# Allegro board 038RT-9068CJK8E-A100_0921.brd (continued)
## Library data of the parts (continued)
C19 C174 C178 C320 C323 CB247 CB250 CB257 CB260 CD1-CD19 CD26-CD44 CD51-CD73 CD83-CD85 CD89 CD91 CD92 CD127-CD134 CD136-CD139 CD145-CD148 CD150-CD152 CD161-CD166 CD175-CD177 CF1 CG1-CG19 CG26-CG44 CG51-CG73 CG83-CG85 CG89 CG91 CG92 CG127-CG134 CG136-CG139 CG145-CG148 CG150-CG152 CG161-CG166 CH112 CH122 CH131 CH142 CH152 CH167 CH168 CH212 CH222 CH242 CH252 CH267 CH268 CH1112 CH1173 CH1174 CH1202 CH1252 CH1331 CH1332 CH1342 CH1352 CH1363 CH1364 CH1392 CH1403 CH1404 CH1503 CH1504 CH1552 CH1602 CH1632 CH1633 CH2112 CH2173 CH2174 CH2202 CH2252 CH2331 CH2342 CH2352 CH2363 CH2364 CH2392 CH2403 CH2404 CH2503 CH2504 CH2552 CH2602 CH2632 CH2633 CM1-CM16 CT1 UNK1C19 UNK1C174 UNK1C178 UNK1C320 UNK1C323 UNK1CD1-UNK1CD19 UNK1CD26-UNK1CD44 UNK1CD51-UNK1CD73 UNK1CD83-UNK1CD85 UNK1CD89 UNK1CD91 UNK1CD92 UNK1CD127-UNK1CD134 UNK1CD136-UNK1CD139 UNK1CD145-UNK1CD148 UNK1CD150-UNK1CD152 UNK1CD161-UNK1CD166 UNK1CD175-UNK1CD177 UNK1CG1-UNK1CG19 UNK1CG26-UNK1CG44 UNK1CG51-UNK1CG73 UNK1CG83-UNK1CG85 UNK1CG89 UNK1CG91 UNK1CG92 UNK1CG127-UNK1CG134 UNK1CG136-UNK1CG139 UNK1CG145-UNK1CG148 UNK1CG150-UNK1CG152 UNK1CG161-UNK1CG166 UNK1CH112 UNK1CH122 UNK1CH131 UNK1CH142 UNK1CH152 UNK1CH167 UNK1CH168 UNK1CH212 UNK1CH222 UNK1CH242 UNK1CH252 UNK1CH267 UNK1CH268 UNK1CH1112 UNK1CH1173 UNK1CH1174 UNK1CH1202 UNK1CH1252 UNK1CH1331 UNK1CH1332 UNK1CH1342 UNK1CH1352 UNK1CH1363 UNK1CH1364 UNK1CH1392 UNK1CH1403 UNK1CH1404 UNK1CH1503 UNK1CH1504 UNK1CH1552 UNK1CH1602 UNK1CH1632 UNK1CH1633 UNK1CH2112 UNK1CH2173 UNK1CH2174 UNK1CH2202 UNK1CH2252 UNK1CH2331 UNK1CH2342 UNK1CH2352 UNK1CH2363 UNK1CH2364 UNK1CH2392 UNK1CH2403 UNK1CH2404 UNK1CH2503 UNK1CH2504 UNK1CH2552 UNK1CH2602 UNK1CH2632 UNK1CH2633 UNK2C19 UNK2C174 UNK2C178 UNK2C320 UNK2C323 UNK2CD1-UNK2CD19 UNK2CD26-UNK2CD44 UNK2CD51-UNK2CD73 UNK2CD83-UNK2CD85 UNK2CD89 UNK2CD91 UNK2CD92 UNK2CD127-UNK2CD134 UNK2CD136-UNK2CD139 UNK2CD145-UNK2CD148 UNK2CD150-UNK2CD152 UNK2CD161-UNK2CD166 UNK2CD175-UNK2CD177 UNK2CG1-UNK2CG19 UNK2CG26-UNK2CG44 UNK2CG51-UNK2CG73 UNK2CG83-UNK2CG85 UNK2CG89 UNK2CG91 UNK2CG92 UNK2CG127-UNK2CG134 UNK2CG136-UNK2CG139 UNK2CG145-UNK2CG148 UNK2CG150-UNK2CG152 UNK2CG161-UNK2CG166 UNK2CH112 UNK2CH122 UNK2CH131 UNK2CH142 UNK2CH152 UNK2CH167 UNK2CH168 UNK2CH212 UNK2CH222 UNK2CH242 UNK2CH252 UNK2CH267 UNK2CH268 UNK2CH1112 UNK2CH1173 UNK2CH1174 UNK2CH1202 UNK2CH1252 UNK2CH1331 UNK2CH1332 UNK2CH1342 UNK2CH1352 UNK2CH1363 UNK2CH1364 UNK2CH1392 UNK2CH1403 UNK2CH1404 UNK2CH1503 UNK2CH1504 UNK2CH1552 UNK2CH1602 UNK2CH1632 UNK2CH1633 UNK2CH2112 UNK2CH2173 UNK2CH2174 UNK2CH2202 UNK2CH2252 UNK2CH2331 UNK2CH2342 UNK2CH2352 UNK2CH2363 UNK2CH2364 UNK2CH2392 UNK2CH2403 UNK2CH2404 UNK2CH2503 UNK2CH2504 UNK2CH2552 UNK2CH2602 UNK2CH2632 UNK2CH2633 UNK3C19 UNK3C174 UNK3C178 UNK3C320 UNK3C323 UNK3CD1-UNK3CD19 UNK3CD26-UNK3CD44 UNK3CD51-UNK3CD73 UNK3CD83-UNK3CD85 UNK3CD89 UNK3CD91 UNK3CD92 UNK3CD127-UNK3CD134 UNK3CD136-UNK3CD139 UNK3CD145-UNK3CD148 UNK3CD150-UNK3CD152 UNK3CD161-UNK3CD166 UNK3CD175-UNK3CD177 UNK3CG1-UNK3CG19 UNK3CG26-UNK3CG44 UNK3CG51-UNK3CG73 UNK3CG83-UNK3CG85 UNK3CG89 UNK3CG91 UNK3CG92 UNK3CG127-UNK3CG134 UNK3CG136-UNK3CG139 UNK3CG145-UNK3CG148 UNK3CG150-UNK3CG152 UNK3CG161-UNK3CG166 UNK3CH112 UNK3CH122 UNK3CH131 UNK3CH142 UNK3CH152 UNK3CH167 UNK3CH168 UNK3CH212 UNK3CH222 UNK3CH242 UNK3CH252 UNK3CH267 UNK3CH268 UNK3CH1112 UNK3CH1173 UNK3CH1174 UNK3CH1202 UNK3CH1252 UNK3CH1331 UNK3CH1332 UNK3CH1342 UNK3CH1352 UNK3CH1363 UNK3CH1364 UNK3CH1392 UNK3CH1403 UNK3CH1404 UNK3CH1503 UNK3CH1504 UNK3CH1552 UNK3CH1602 UNK3CH1632 UNK3CH1633 UNK3CH2112 UNK3CH2173 UNK3CH2174 UNK3CH2202 UNK3CH2252 UNK3CH2331 UNK3CH2342 UNK3CH2352 UNK3CH2363 UNK3CH2364 UNK3CH2392 UNK3CH2403 UNK3CH2404 UNK3CH2503 UNK3CH2504 UNK3CH2552 UNK3CH2602 UNK3CH2632 UNK3CH2633 = 0.1U-16-X-S4-MU: User Part Number: PNXXXXXXXXXX; Tolerance: TOL
C75 C76 C168 C169 CH153 CH154 CH253 CH254 UNK1C75 UNK1C76 UNK1C168 UNK1C169 UNK1CH153 UNK1CH154 UNK1CH253 UNK1CH254 UNK2C75 UNK2C76 UNK2C168 UNK2C169 UNK2CH153 UNK2CH154 UNK2CH253 UNK2CH254 UNK3C75 UNK3C76 UNK3C168 UNK3C169 UNK3CH153 UNK3CH154 UNK3CH253 UNK3CH254 = 18P-50-N-S4-MU: User Part Number: PNXXXXXXXXXX; Tolerance: TOL
C78 UNK1C78 UNK2C78 UNK3C78 = 0.1U-100-X-S8: User Part Number: PNXXXXXXXXXX; Tolerance: TOL
C79 UNK1C79 UNK2C79 UNK3C79 = 10U-100-Y-S6.1X5.3-MU: User Part Number: PNXXXXXXXXXX; Tolerance: TOL
C119 C172 UNK1C119 UNK1C172 UNK2C119 UNK2C172 UNK3C119 UNK3C172 = 1000P-2K-X-SA: User Part Number: PNXXXXXXXXXX; Tolerance: TOL
C171 C175 C177 C319 C322 C324 UNK1C171 UNK1C175 UNK1C177 UNK1C319 UNK1C322 UNK1C324 UNK2C171 UNK2C175 UNK2C177 UNK2C319 UNK2C322 UNK2C324 UNK3C171 UNK3C175 UNK3C177 UNK3C319 UNK3C322 UNK3C324 = 0.01U-50-X-S4: User Part Number: PNXXXXXXXXXX; Tolerance: TOL
C176 C321 UNK1C176 UNK1C321 UNK2C176 UNK2C321 UNK3C176 UNK3C321 = 1000P-50-N-S4-MU: User Part Number: PNXXXXXXXXXX; Tolerance: TOL
C179 C180 C183 C184 C195 C196 C198 C199 C376 C377 C381 C383-C385 C401 C402 C405 C407 C412 C413 C421 C422 C430 C431 CINX1 UNK1C179 UNK1C180 UNK1C183 UNK1C184 UNK1C195 UNK1C196 UNK1C198 UNK1C199 UNK1C376 UNK1C377 UNK1C381 UNK1C383-UNK1C385 UNK1C401 UNK1C402 UNK1C405 UNK1C407 UNK1C412 UNK1C413 UNK1C421 UNK1C422 UNK1C430 UNK1C431 UNK2C179 UNK2C180 UNK2C183 UNK2C184 UNK2C195 UNK2C196 UNK2C198 UNK2C199 UNK2C376 UNK2C377 UNK2C381 UNK2C383-UNK2C385 UNK2C401 UNK2C402 UNK2C405 UNK2C407 UNK2C412 UNK2C413 UNK2C421 UNK2C422 UNK2C430 UNK2C431 UNK3C179 UNK3C180 UNK3C183 UNK3C184 UNK3C195 UNK3C196 UNK3C198 UNK3C199 UNK3C376 UNK3C377 UNK3C381 UNK3C383-UNK3C385 UNK3C401 UNK3C402 UNK3C405 UNK3C407 UNK3C412 UNK3C413 UNK3C421 UNK3C422 UNK3C430 UNK3C431 = 0.1U-50-X-S6: User Part Number: PNXXXXXXXXXX; Tolerance: TOL
C181 C182 C194 C197 C375 C379 C399 C406 UNK1C181 UNK1C182 UNK1C194 UNK1C197 UNK1C375 UNK1C379 UNK1C399 UNK1C406 UNK2C181 UNK2C182 UNK2C194 UNK2C197 UNK2C375 UNK2C379 UNK2C399 UNK2C406 UNK3C181 UNK3C182 UNK3C194 UNK3C197 UNK3C375 UNK3C379 UNK3C399 UNK3C406 = 4700P-50-X-S4: User Part Number: PNXXXXXXXXXX; Tolerance: TOL
C292 UNK1C292 UNK2C292 UNK3C292 = 100U-35-E-S6.3X7.7-NI: Tolerance: TOL; User Part Number: PNXXXXXXXXXX
C325 UNK1C325 UNK2C325 UNK3C325 = 100U-100-E-S17.2X17.2-PAN: User Part Number: PNXXXXXXXXXX; Tolerance: TOL
C391 C418 C427 C436 UNK1C391 UNK1C418 UNK1C427 UNK1C436 UNK2C391 UNK2C418 UNK2C427 UNK2C436 UNK3C391 UNK3C418 UNK3C427 UNK3C436 = 4700P-50-X-S6: User Part Number: PNXXXXXXXXXX; Tolerance: TOL
C439-C442 UNK1C439-UNK1C442 UNK2C439-UNK2C442 UNK3C439-UNK3C442 = 4.7P-50-N-S4-MU: User Part Number: PNXXXXXXXXXX; Tolerance: TOL
CA1-CA6 CA11 = 220U-25-E-S11.2X10.5-NI: User Part Number: PNXXXXXXXXXX; Tolerance: TOL
CB243 CB253 CBB0-CBB5 CT2 CT4 CT6 = 10U-25-X7R-SA: User Part Number: PNXXXXXXXXXX; Tolerance: TOL
CB244 CB254 CS61-CS64 CS71-CS74 CS101-CS104 CS107 CS108 CS111-CS114 CS117 CS118 UNK1CS61-UNK1CS64 UNK1CS71-UNK1CS74 UNK1CS101-UNK1CS104 UNK1CS107 UNK1CS108 UNK1CS111-UNK1CS114 UNK1CS117 UNK1CS118 UNK2CS61-UNK2CS64 UNK2CS71-UNK2CS74 UNK2CS101-UNK2CS104 UNK2CS107 UNK2CS108 UNK2CS111-UNK2CS114 UNK2CS117 UNK2CS118 UNK3CS61-UNK3CS64 UNK3CS71-UNK3CS74 UNK3CS101-UNK3CS104 UNK3CS107 UNK3CS108 UNK3CS111-UNK3CS114 UNK3CS117 UNK3CS118 = 0.1U-50-X-S4-TDK: User Part Number: PNXXXXXXXXXX; Tolerance: TOL
CBB6 CG327 UNK1CG327 UNK2CG327 UNK3CG327 = 4.7U-100-X-SB-MU: User Part Number: PNXXXXXXXXXX; Tolerance: TOL
CC1 = 560P-50-X7R-SA-YA: User Part Number: PNXXXXXXXXXX; Tolerance: TOL
CC2 = 0.15U-50-X7R-SA-KEMET: User Part Number: PNXXXXXXXXXX; Tolerance: TOL
CD20 CD21 CD45 CD46 CD74 CD75 CD81 CD86 CD88 CD93 CD94 CD96 CD99 CD105 CD107 CD108 CD115 CD116 CD121 CD122 CD141 CD142 CD155 CD156 CD169 CD170 CD178-CD183 CG20 CG21 CG45 CG46 CG74 CG75 CG81 CG86 CG88 CG93 CG94 CG96 CG99 CG105 CG107 CG108 CG115 CG116 CG121 CG122 CG141 CG142 CG155 CG156 CG169 CG170 CG178-CG183 CS1 CS3 CS4 UNK1CD20 UNK1CD21 UNK1CD45 UNK1CD46 UNK1CD74 UNK1CD75 UNK1CD81 UNK1CD86 UNK1CD88 UNK1CD93 UNK1CD94 UNK1CD96 UNK1CD99 UNK1CD105 UNK1CD107 UNK1CD108 UNK1CD115 UNK1CD116 UNK1CD121 UNK1CD122 UNK1CD141 UNK1CD142 UNK1CD155 UNK1CD156 UNK1CD169 UNK1CD170 UNK1CD178-UNK1CD183 UNK1CG20 UNK1CG21 UNK1CG45 UNK1CG46 UNK1CG74 UNK1CG75 UNK1CG81 UNK1CG86 UNK1CG88 UNK1CG93 UNK1CG94 UNK1CG96 UNK1CG99 UNK1CG105 UNK1CG107 UNK1CG108 UNK1CG115 UNK1CG116 UNK1CG121 UNK1CG122 UNK1CG141 UNK1CG142 UNK1CG155 UNK1CG156 UNK1CG169 UNK1CG170 UNK1CG178-UNK1CG183 UNK1CS1 UNK1CS3 UNK1CS4 UNK2CD20 UNK2CD21 UNK2CD45 UNK2CD46 UNK2CD74 UNK2CD75 UNK2CD81 UNK2CD86 UNK2CD88 UNK2CD93 UNK2CD94 UNK2CD96 UNK2CD99 UNK2CD105 UNK2CD107 UNK2CD108 UNK2CD115 UNK2CD116 UNK2CD121 UNK2CD122 UNK2CD141 UNK2CD142 UNK2CD155 UNK2CD156 UNK2CD169 UNK2CD170 UNK2CD178-UNK2CD183 UNK2CG20 UNK2CG21 UNK2CG45 UNK2CG46 UNK2CG74 UNK2CG75 UNK2CG81 UNK2CG86 UNK2CG88 UNK2CG93 UNK2CG94 UNK2CG96 UNK2CG99 UNK2CG105 UNK2CG107 UNK2CG108 UNK2CG115 UNK2CG116 UNK2CG121 UNK2CG122 UNK2CG141 UNK2CG142 UNK2CG155 UNK2CG156 UNK2CG169 UNK2CG170 UNK2CG178-UNK2CG183 UNK2CS1 UNK2CS3 UNK2CS4 UNK3CD20 UNK3CD21 UNK3CD45 UNK3CD46 UNK3CD74 UNK3CD75 UNK3CD81 UNK3CD86 UNK3CD88 UNK3CD93 UNK3CD94 UNK3CD96 UNK3CD99 UNK3CD105 UNK3CD107 UNK3CD108 UNK3CD115 UNK3CD116 UNK3CD121 UNK3CD122 UNK3CD141 UNK3CD142 UNK3CD155 UNK3CD156 UNK3CD169 UNK3CD170 UNK3CD178-UNK3CD183 UNK3CG20 UNK3CG21 UNK3CG45 UNK3CG46 UNK3CG74 UNK3CG75 UNK3CG81 UNK3CG86 UNK3CG88 UNK3CG93 UNK3CG94 UNK3CG96 UNK3CG99 UNK3CG105 UNK3CG107 UNK3CG108 UNK3CG115 UNK3CG116 UNK3CG121 UNK3CG122 UNK3CG141 UNK3CG142 UNK3CG155 UNK3CG156 UNK3CG169 UNK3CG170 UNK3CG178-UNK3CG183 UNK3CS1 UNK3CS3 UNK3CS4 = 10U-16-X7R-S8-SS: User Part Number: PNXXXXXXXXXX; Tolerance: TOL
CD24 CD25 CD48 CD50 CD77 CD79 CD117 CD120 CD124 CD126 CD157 CD160 CD172 CD174 CG24 CG25 CG48 CG50 CG77 CG79 CG117 CG120 CG124 CG126 CG172 CG174 UNK1CD24 UNK1CD25 UNK1CD48 UNK1CD50 UNK1CD77 UNK1CD79 UNK1CD117 UNK1CD120 UNK1CD124 UNK1CD126 UNK1CD157 UNK1CD160 UNK1CD172 UNK1CD174 UNK1CG24 UNK1CG25 UNK1CG48 UNK1CG50 UNK1CG77 UNK1CG79 UNK1CG117 UNK1CG120 UNK1CG124 UNK1CG126 UNK1CG172 UNK1CG174 UNK2CD24 UNK2CD25 UNK2CD48 UNK2CD50 UNK2CD77 UNK2CD79 UNK2CD117 UNK2CD120 UNK2CD124 UNK2CD126 UNK2CD157 UNK2CD160 UNK2CD172 UNK2CD174 UNK2CG24 UNK2CG25 UNK2CG48 UNK2CG50 UNK2CG77 UNK2CG79 UNK2CG117 UNK2CG120 UNK2CG124 UNK2CG126 UNK2CG172 UNK2CG174 UNK3CD24 UNK3CD25 UNK3CD48 UNK3CD50 UNK3CD77 UNK3CD79 UNK3CD117 UNK3CD120 UNK3CD124 UNK3CD126 UNK3CD157 UNK3CD160 UNK3CD172 UNK3CD174 UNK3CG24 UNK3CG25 UNK3CG48 UNK3CG50 UNK3CG77 UNK3CG79 UNK3CG117 UNK3CG120 UNK3CG124 UNK3CG126 UNK3CG172 UNK3CG174 = 100U-16-T-SC: Tolerance: TOL; User Part Number: PNXXXXXXXXXX
CD80 CD82 CD87 CD90 CD98 CD100 CD104 CD106 CD109-CD112 CD135 CD140 CD143 CD144 CD149 CD154 CD167 CG80 CG82 CG87 CG90 CG98 CG100-CG104 CG106 CG109-CG112 CG135 CG140 CG143 CG144 CG149 CG154 CG167 CH1361 CH1362 CH1401 CH1402 CH1501 CH1502 CH2361 CH2362 CH2401 CH2402 CH2501 CH2502 UNK1CD80 UNK1CD82 UNK1CD87 UNK1CD90 UNK1CD98 UNK1CD100 UNK1CD104 UNK1CD106 UNK1CD109-UNK1CD112 UNK1CD135 UNK1CD140 UNK1CD143 UNK1CD144 UNK1CD149 UNK1CD154 UNK1CD167 UNK1CG80 UNK1CG82 UNK1CG87 UNK1CG90 UNK1CG98 UNK1CG100-UNK1CG104 UNK1CG106 UNK1CG109-UNK1CG112 UNK1CG135 UNK1CG140 UNK1CG143 UNK1CG144 UNK1CG149 UNK1CG154 UNK1CG167 UNK1CH1361 UNK1CH1362 UNK1CH1401 UNK1CH1402 UNK1CH1501 UNK1CH1502 UNK1CH2361 UNK1CH2362 UNK1CH2401 UNK1CH2402 UNK1CH2501 UNK1CH2502 UNK2CD80 UNK2CD82 UNK2CD87 UNK2CD90 UNK2CD98 UNK2CD100 UNK2CD104 UNK2CD106 UNK2CD109-UNK2CD112 UNK2CD135 UNK2CD140 UNK2CD143 UNK2CD144 UNK2CD149 UNK2CD154 UNK2CD167 UNK2CG80 UNK2CG82 UNK2CG87 UNK2CG90 UNK2CG98 UNK2CG100-UNK2CG104 UNK2CG106 UNK2CG109-UNK2CG112 UNK2CG135 UNK2CG140 UNK2CG143 UNK2CG144 UNK2CG149 UNK2CG154 UNK2CG167 UNK2CH1361 UNK2CH1362 UNK2CH1401 UNK2CH1402 UNK2CH1501 UNK2CH1502 UNK2CH2361 UNK2CH2362 UNK2CH2401 UNK2CH2402 UNK2CH2501 UNK2CH2502 UNK3CD80 UNK3CD82 UNK3CD87 UNK3CD90 UNK3CD98 UNK3CD100 UNK3CD104 UNK3CD106 UNK3CD109-UNK3CD112 UNK3CD135 UNK3CD140 UNK3CD143 UNK3CD144 UNK3CD149 UNK3CD154 UNK3CD167 UNK3CG80 UNK3CG82 UNK3CG87 UNK3CG90 UNK3CG98 UNK3CG100-UNK3CG104 UNK3CG106 UNK3CG109-UNK3CG112 UNK3CG135 UNK3CG140 UNK3CG143 UNK3CG144 UNK3CG149 UNK3CG154 UNK3CG167 UNK3CH1361 UNK3CH1362 UNK3CH1401 UNK3CH1402 UNK3CH1501 UNK3CH1502 UNK3CH2361 UNK3CH2362 UNK3CH2401 UNK3CH2402 UNK3CH2501 UNK3CH2502 = 1U-16-X-S6-TY: User Part Number: PNXXXXXXXXXX; Tolerance: TOL
CD113 CG113 UNK1CD113 UNK1CG113 UNK2CD113 UNK2CG113 UNK3CD113 UNK3CG113 = 1U-10-X7R-S8: User Part Number: PNXXXXXXXXXX; Tolerance: TOL
CD114 CD168 CG114 UNK1CD114 UNK1CD168 UNK1CG114 UNK2CD114 UNK2CD168 UNK2CG114 UNK3CD114 UNK3CD168 UNK3CG114 = 22U-16-X-S8-TY: User Part Number: PNXXXXXXXXXX; Tolerance: TOL
CG326 COUT1 UNK1CG326 UNK2CG326 UNK3CG326 = 1U-100-X7S-S8-TDK: User Part Number: PNXXXXXXXXXX; Tolerance: TOL
CH11 CH21 UNK1CH11 UNK1CH21 UNK2CH11 UNK2CH21 UNK3CH11 UNK3CH21 = 0.1U-16-X-S4: User Part Number: PNXXXXXXXXXX; Tolerance: TOL
CH111 CH121 CH141 CH211 CH221 CH241 CH1111 CH1171 CH1172 CH1201 CH1251 CH1333 CH1334 CH1341 CH1351 CH1391 CH1551 CH1601 CH1631 CH1634 CH2111 CH2171 CH2172 CH2201 CH2251 CH2341 CH2351 CH2391 CH2551 CH2601 CH2631 CH2634 UNK1CH111 UNK1CH121 UNK1CH141 UNK1CH211 UNK1CH221 UNK1CH241 UNK1CH1111 UNK1CH1171 UNK1CH1172 UNK1CH1201 UNK1CH1251 UNK1CH1333 UNK1CH1334 UNK1CH1341 UNK1CH1351 UNK1CH1391 UNK1CH1551 UNK1CH1601 UNK1CH1631 UNK1CH1634 UNK1CH2111 UNK1CH2171 UNK1CH2172 UNK1CH2201 UNK1CH2251 UNK1CH2341 UNK1CH2351 UNK1CH2391 UNK1CH2551 UNK1CH2601 UNK1CH2631 UNK1CH2634 UNK2CH111 UNK2CH121 UNK2CH141 UNK2CH211 UNK2CH221 UNK2CH241 UNK2CH1111 UNK2CH1171 UNK2CH1172 UNK2CH1201 UNK2CH1251 UNK2CH1333 UNK2CH1334 UNK2CH1341 UNK2CH1351 UNK2CH1391 UNK2CH1551 UNK2CH1601 UNK2CH1631 UNK2CH1634 UNK2CH2111 UNK2CH2171 UNK2CH2172 UNK2CH2201 UNK2CH2251 UNK2CH2341 UNK2CH2351 UNK2CH2391 UNK2CH2551 UNK2CH2601 UNK2CH2631 UNK2CH2634 UNK3CH111 UNK3CH121 UNK3CH141 UNK3CH211 UNK3CH221 UNK3CH241 UNK3CH1111 UNK3CH1171 UNK3CH1172 UNK3CH1201 UNK3CH1251 UNK3CH1333 UNK3CH1334 UNK3CH1341 UNK3CH1351 UNK3CH1391 UNK3CH1551 UNK3CH1601 UNK3CH1631 UNK3CH1634 UNK3CH2111 UNK3CH2171 UNK3CH2172 UNK3CH2201 UNK3CH2251 UNK3CH2341 UNK3CH2351 UNK3CH2391 UNK3CH2551 UNK3CH2601 UNK3CH2631 UNK3CH2634 = 4.7U-25-X-SA: User Part Number: PNXXXXXXXXXX; Tolerance: TOL
CIN1 = 56U-20-E-S6.2X5.5-PAN: Tolerance: TOL; User Part Number: PNXXXXXXXXXX
CMOS1 UNK1CMOS1 UNK2CMOS1 UNK3CMOS1 = DMC1015UPD-13-POWERDI5060-8: Tolerance: TOL; User Part Number: PNXXXXXXXXXX
CON1 CON3 UNK1CON1 UNK1CON3 UNK2CON1 UNK2CON3 UNK3CON1 UNK3CON3 = RJ45-1X1-D90-KINSUN-1: Tolerance: TOL; User Part Number: PNXXXXXXXXXX
COUT0 = 15U-100-E-S9.2X8.5-PAN: User Part Number: PNXXXXXXXXXX; Tolerance: TOL
CS2 CS5 UNK1CS2 UNK1CS5 UNK2CS2 UNK2CS5 UNK3CS2 UNK3CS5 = 22P-50-N-S4: User Part Number: PNXXXXXXXXXX; Tolerance: TOL
CSNS1 = 1000P-50-N-S6-VI: User Part Number: PNXXXXXXXXXX; Tolerance: TOL
CSS1 = 0.047U-50-X7R-S8-VI: User Part Number: PNXXXXXXXXXX; Tolerance: TOL
CT3 CT5 CT7 = 4.7U-25-X7R-S8-TY: User Part Number: PNXXXXXXXXXX; Tolerance: TOL
CT8 CT10 CT12 = 10U-50-X-SB-MU: User Part Number: PNXXXXXXXXXX; Tolerance: TOL
CT9 CT11 CT13 = 4.7U-50-X-S8-MU: User Part Number: PNXXXXXXXXXX; Tolerance: TOL
CTO_DGS00 CTO_DGS01 CTO_DGS02 CTO_DGS03 CTO_DGS04 CTO_DGS05 CTO_DGS06 CTO_DGS07 CTO_DGS08 CTO_DGS09-CTO_DGS31 DGS40 ST01 ST1-ST3 ST5 ST6 STB00 STB64 STG01 STG1-STG3 STG5 STG6 UNK1ST01 UNK1ST1-UNK1ST3 UNK1ST5 UNK1ST6 UNK1STB00 UNK1STB64 UNK1STG01 UNK1STG1-UNK1STG3 UNK1STG5 UNK1STG6 UNK2ST01 UNK2ST1-UNK2ST3 UNK2ST5 UNK2ST6 UNK2STB00 UNK2STB64 UNK2STG1 UNK2STG01-UNK2STG3 UNK2STG5 UNK2STG6 UNK3ST1 UNK3ST01-UNK3ST3 UNK3ST5 UNK3ST6 UNK3STB00 UNK3STB64 UNK3STG1 UNK3STG01-UNK3STG3 UNK3STG5 UNK3STG6 = SHORT: User Part Number: PNXXXXXXXXXX; Tolerance: TOL
DO1 = SBRD10200TR-10A-DPAK: Tolerance: TOL; User Part Number: PNXXXXXXXXXX
FD1-FD36 S0_AVDD09 S0_AVDD33 S0_AVDD33_MOSFET S0_DGND1-S0_DGND4 S0_DVDD09 S0_DVDD33 S0_GPIO_VDDIO S0_LDOIN S0_MGND1-S0_MGND4 S0_VBAT S0_VO09 S1_AVDD09 S1_AVDD33 S1_AVDD33_MOSFET S1_DGND1-S1_DGND4 S1_DVDD09 S1_DVDD33 S1_GPIO_VDDIO S1_LDOIN S1_MGND1-S1_MGND4 S1_VBAT S1_VO09 S2_AVDD09 S2_AVDD33 S2_AVDD33_MOSFET S2_DGND1-S2_DGND4 S2_DVDD09 S2_DVDD33 S2_GPIO_VDDIO S2_LDOIN S2_MGND1-S2_MGND4 S2_VBAT S2_VO09 S3_AVDD09 S3_AVDD33 S3_AVDD33_MOSFET S3_DGND1-S3_DGND4 S3_DVDD09 S3_DVDD33 S3_GPIO_VDDIO S3_LDOIN S3_MGND1-S3_MGND4 S3_VBAT S3_VO09 SG0_AVDD09 SG0_AVDD33 SG0_AVDD33_MOSFET SG0_DGND1-SG0_DGND4 SG0_DVDD09 SG0_DVDD33 SG0_FE_LED0 SG0_FE_LED1 SG0_GPIO_VDDIO SG0_GPIOA3 SG0_GPIOA_0 SG0_INH SG0_LDOIN SG0_MGND1-SG0_MGND4 SG0_P0_LDOOUT SG0_P0_LED SG0_P0_RXC SG0_P0_RXD0-SG0_P0_RXD3 SG0_P0_RXDV SG0_P0_TXC SG0_P0_TXD0-SG0_P0_TXD3 SG0_P0_TXEN SG0_P1_LDOOUT SG0_P1_LED SG0_P1_RXC SG0_P1_RXD0-SG0_P1_RXD3 SG0_P1_RXDV SG0_P1_TXC SG0_P1_TXD0-SG0_P1_TXD3 SG0_P1_TXEN SG0_P2_LED SG0_P3_LED SG0_P5_LDOOUT SG0_P5_LED SG0_P5_RXC SG0_P5_RXD0-SG0_P5_RXD3 SG0_P5_RXDV SG0_P5_TXC SG0_P5_TXD0-SG0_P5_TXD3 SG0_P5_TXEN SG0_P6_CLKREQB SG0_P6_LANWAKEB SG0_P6_LED SG0_P6_REFCLK+ SG0_P6_REFCLK- SG0_P7_CLKREQB SG0_P7_LANWAKEB SG0_P7_REFCLK+ SG0_P7_REFCLK- SG0_VBAT SG0_VDC SG1_AVDD09 SG1_AVDD33 SG1_AVDD33_MOSFET SG1_DGND1-SG1_DGND4 SG1_DVDD09 SG1_DVDD33 SG1_FE_LED0 SG1_FE_LED1 SG1_GPIO_VDDIO SG1_GPIOA3 SG1_GPIOA_0 SG1_INH SG1_LDOIN SG1_MGND1-SG1_MGND4 SG1_P0_LDOOUT SG1_P0_LED SG1_P0_RXC SG1_P0_RXD0-SG1_P0_RXD3 SG1_P0_RXDV SG1_P0_TXC SG1_P0_TXD0-SG1_P0_TXD3 SG1_P0_TXEN SG1_P1_LDOOUT SG1_P1_LED SG1_P1_RXC SG1_P1_RXD0-SG1_P1_RXD3 SG1_P1_RXDV SG1_P1_TXC SG1_P1_TXD0-SG1_P1_TXD3 SG1_P1_TXEN SG1_P2_LED SG1_P3_LED SG1_P5_LDOOUT SG1_P5_LED SG1_P5_RXC SG1_P5_RXD0-SG1_P5_RXD3 SG1_P5_RXDV SG1_P5_TXC SG1_P5_TXD0-SG1_P5_TXD3 SG1_P5_TXEN SG1_P6_CLKREQB SG1_P6_LANWAKEB SG1_P6_LED SG1_P6_REFCLK+ SG1_P6_REFCLK- SG1_P7_CLKREQB SG1_P7_LANWAKEB SG1_P7_REFCLK+ SG1_P7_REFCLK- SG1_VBAT SG1_VDC SG2_AVDD09 SG2_AVDD33 SG2_AVDD33_MOSFET SG2_DGND1-SG2_DGND4 SG2_DVDD09 SG2_DVDD33 SG2_FE_LED0 SG2_FE_LED1 SG2_GPIO_VDDIO SG2_GPIOA3 SG2_GPIOA_0 SG2_INH SG2_LDOIN SG2_MGND1-SG2_MGND4 SG2_P0_LDOOUT SG2_P0_LED SG2_P0_RXC SG2_P0_RXD0-SG2_P0_RXD3 SG2_P0_RXDV SG2_P0_TXC SG2_P0_TXD0-SG2_P0_TXD3 SG2_P0_TXEN SG2_P1_LDOOUT SG2_P1_LED SG2_P1_RXC SG2_P1_RXD0-SG2_P1_RXD3 SG2_P1_RXDV SG2_P1_TXC SG2_P1_TXD0-SG2_P1_TXD3 SG2_P1_TXEN SG2_P2_LED SG2_P3_LED SG2_P5_LDOOUT SG2_P5_LED SG2_P5_RXC SG2_P5_RXD0-SG2_P5_RXD3 SG2_P5_RXDV SG2_P5_TXC SG2_P5_TXD0-SG2_P5_TXD3 SG2_P5_TXEN SG2_P6_CLKREQB SG2_P6_LANWAKEB SG2_P6_LED SG2_P6_REFCLK+ SG2_P6_REFCLK- SG2_P7_CLKREQB SG2_P7_LANWAKEB SG2_P7_REFCLK+ SG2_P7_REFCLK- SG2_VBAT SG2_VDC SG3_AVDD09 SG3_AVDD33 SG3_AVDD33_MOSFET SG3_DGND1-SG3_DGND4 SG3_DVDD09 SG3_DVDD33 SG3_FE_LED0 SG3_FE_LED1 SG3_GPIO_VDDIO SG3_GPIOA3 SG3_GPIOA_0 SG3_INH SG3_LDOIN SG3_MGND1-SG3_MGND4 SG3_P0_LDOOUT SG3_P0_LED SG3_P0_RXC SG3_P0_RXD0-SG3_P0_RXD3 SG3_P0_RXDV SG3_P0_TXC SG3_P0_TXD0-SG3_P0_TXD3 SG3_P0_TXEN SG3_P1_LDOOUT SG3_P1_LED SG3_P1_RXC SG3_P1_RXD0-SG3_P1_RXD3 SG3_P1_RXDV SG3_P1_TXC SG3_P1_TXD0-SG3_P1_TXD3 SG3_P1_TXEN SG3_P2_LED SG3_P3_LED SG3_P5_LDOOUT SG3_P5_LED SG3_P5_RXC SG3_P5_RXD0-SG3_P5_RXD3 SG3_P5_RXDV SG3_P5_TXC SG3_P5_TXD0-SG3_P5_TXD3 SG3_P5_TXEN SG3_P6_CLKREQB SG3_P6_LANWAKEB SG3_P6_LED SG3_P6_REFCLK+ SG3_P6_REFCLK- SG3_P7_CLKREQB SG3_P7_LANWAKEB SG3_P7_REFCLK+ SG3_P7_REFCLK- SG3_VBAT SG3_VDC SH01_DGND1-SH01_DGND4 SH01_DPS_5V0 SH01_L_SWR_5TO1_OUT SH01_LDO_5TO3_OUT SH01_PCIEGND1-SH01_PCIEGND4 SH01_USB_AVDD10 SH02_DGND1-SH02_DGND4 SH02_DPS_5V0 SH02_L_SWR_5TO1_OUT SH02_LDO_5TO3_OUT SH02_PCIEGND1-SH02_PCIEGND4 SH02_USB_AVDD10 SH11_DGND1-SH11_DGND4 SH11_DPS_5V0 SH11_L_SWR_5TO1_OUT SH11_LDO_5TO3_OUT SH11_PCIEGND1-SH11_PCIEGND4 SH11_USB_AVDD10 SH12_DGND1-SH12_DGND4 SH12_DPS_5V0 SH12_L_SWR_5TO1_OUT SH12_LDO_5TO3_OUT SH12_PCIEGND1-SH12_PCIEGND4 SH12_USB_AVDD10 SH21_DGND1-SH21_DGND4 SH21_DPS_5V0 SH21_L_SWR_5TO1_OUT SH21_LDO_5TO3_OUT SH21_PCIEGND1-SH21_PCIEGND4 SH21_USB_AVDD10 SH22_DGND1-SH22_DGND4 SH22_DPS_5V0 SH22_L_SWR_5TO1_OUT SH22_LDO_5TO3_OUT SH22_PCIEGND1-SH22_PCIEGND4 SH22_USB_AVDD10 SH31_DGND1-SH31_DGND4 SH31_DPS_5V0 SH31_L_SWR_5TO1_OUT SH31_LDO_5TO3_OUT SH31_PCIEGND1-SH31_PCIEGND4 SH31_USB_AVDD10 SH32_DGND1-SH32_DGND4 SH32_DPS_5V0 SH32_L_SWR_5TO1_OUT SH32_LDO_5TO3_OUT SH32_PCIEGND1-SH32_PCIEGND4 SH32_USB_AVDD10 VDD18_ATX = TP01: Tolerance: TOL; User Part Number: PNXXXXXXXXXX
FILTER1 = BNX025H01L: User Part Number: PNXXXXXXXXXX; Tolerance: TOL
FUSEB2-FUSEB4 = FRU250-30: Tolerance: TOL; User Part Number: PNXXXXXXXXXX
GOLD0-GOLD3 SITE0-SITE3 = RTL9068ABD-V2-GR-VFBGA273-17X17: Tolerance: TOL; User Part Number: PNXXXXXX
GPHY2 GPHY3 UNK1GPHY2 UNK1GPHY3 UNK2GPHY2 UNK2GPHY3 UNK3GPHY2 UNK3GPHY3 = CU/CONN-F-9-2304372-9-TE: Tolerance: TOL; User Part Number: PNXXXXXXXXXX
H1 H2 = M3-HOLE: Tolerance: TOL; User Part Number: PNXXXXXXXXXX
HOST1 HOST2 UNK1HOST1 UNK1HOST2 UNK2HOST1 UNK2HOST2 UNK3HOST1 UNK3HOST2 = RTL9210-QFN68-8X8: Tolerance: TOL; User Part Number: PNXXXXXXXXXX
J901 = NP6: User Part Number: PNXXXXXXXXXX; Tolerance: TOL
K4-K11 K82 K223 KB1 UNK1K4-UNK1K11 UNK1K82 UNK1K223 UNK2K4-UNK2K7 UNK2K11 UNK2K223 UNK3K4-UNK3K7 UNK3K11 UNK3K223 = CU/NA12W-K: Tolerance: TOL; User Part Number: PNXXXXXXXXXX
K34 UNK1K34 UNK2K34 UNK3K34 = CU/UA2-12NJ-A-V2_EX: Tolerance: TOL; User Part Number: PNXXXXXXXXXX
K52 K54 K56 K58 K60 K64 K124 K130 K140 K180-K183 K211 K212 K220 K221 K225-K228 K231-K233 K240-K243 UNK1K52 UNK1K54 UNK1K56 UNK1K58 UNK1K60 UNK1K64 UNK1K124 UNK1K130 UNK1K140 UNK1K180-UNK1K183 UNK1K211 UNK1K212 UNK1K220 UNK1K221 UNK1K225-UNK1K228 UNK1K231-UNK1K233 UNK1K240-UNK1K243 UNK2K52 UNK2K54 UNK2K56 UNK2K58 UNK2K60 UNK2K64 UNK2K124 UNK2K130 UNK2K140 UNK2K180-UNK2K183 UNK2K211 UNK2K212 UNK2K220 UNK2K221 UNK2K225-UNK2K228 UNK2K231-UNK2K233 UNK2K240-UNK2K243 UNK3K52 UNK3K54 UNK3K56 UNK3K58 UNK3K60 UNK3K64 UNK3K124 UNK3K130 UNK3K140 UNK3K180-UNK3K183 UNK3K211 UNK3K212 UNK3K220 UNK3K221 UNK3K225-UNK3K228 UNK3K231-UNK3K233 UNK3K240-UNK3K243 = UA2-12NJ-A: Tolerance: TOL; User Part Number: PNXXXXXXXXXX
K144 K145 K184 K214 UNK1K144 UNK1K145 UNK1K184 UNK1K214 UNK2K144 UNK2K145 UNK2K184 UNK2K214 UNK3K144 UNK3K145 UNK3K184 UNK3K214 = PI3DBS12412AZHE-TQFN42: User Part Number: PNXXXXXXXXXX; Tolerance: TOL
K213 K217 UNK1K213 UNK1K217 UNK2K213 UNK2K217 UNK3K213 UNK3K217 = PI3DBS12412AZHE-TQFN42_EX: User Part Number: PNXXXXXXXXXX; Tolerance: TOL
L3 UNK1L3 UNK2L3 UNK3L3 = L2.2U-10A-S6.8X6.6-BO: User Part Number: PNXXXXXXXXXX; Tolerance: TOL
LB1 = L33U-2.9A-S12.3X12.3-CO: User Part Number: PNXXXXXXXXXX; Tolerance: TOL
LDB1-LDB6 = LDG-2-S8: User Part Number: PNXXXXXXXXXX; Tolerance: TOL
LDOB2 = 1117-1A-18-SOT223: Tolerance: TOL; User Part Number: PNXXXXXXXXXX
LH11 LH21 UNK1LH11 UNK1LH21 UNK2LH11 UNK2LH21 UNK3LH11 UNK3LH21 = L2.2U-1.15A-S2.0X1.6-TDK: User Part Number: PNXXXXXXXXXX; Tolerance: TOL
LOGO1 = LOGO_RT_Realtek
LOGO2 = LOGO_KT_KSMT
LRB1 LRB2 = 330-1-S6: User Part Number: PNXXXXXXXXXX; Tolerance: TOL
LRB3 = 1K-1-S6: User Part Number: PNXXXXXXXXXX; Tolerance: TOL
LRB4 = 2K-1-S6: User Part Number: PNXXXXXXXXXX; Tolerance: TOL
LRB5 LRB6 = 1.5K-1-S6: User Part Number: PNXXXXXXXXXX; Tolerance: TOL
LX1 UNK1LX1 UNK2LX1 UNK3LX1 = CU/L1U-3.3A-S2.5X2-TY: User Part Number: PNXXXXXXXXXX; Tolerance: TOL
MOS1 = CSD19537Q3-VSON8: Tolerance: TOL; User Part Number: PNXXXXXXXXXX
MQS1 UNK1MQS1 UNK2MQS1 UNK3MQS1 = CU/MQS-9X2-MR: Tolerance: TOL; User Part Number: PNXXXXXXXXXX
MUX1-MUX16 = MUX36D04IRUMR-WQFN16: Tolerance: TOL; User Part Number: PNXXXXXXXXXX
PT1 PT3 UNK1PT1 UNK1PT3 UNK2PT1 UNK2PT3 UNK3PT1 UNK3PT3 = PT-RJ45-1X1-20X18X12: Tolerance: TOL; User Part Number: PNXXXXXXXXXX
PT23 UNK1PT23 UNK2PT23 UNK3PT23 = CONN-F-9-2304372-9-TE_COVER: User Part Number: PNXXXXXXXXX; Tolerance: TOL
QFN68-8X8-P0.4MM TFBGA273-17X17-P0.8MM1 UNK087-0068F0400000-99 UNK087-0273B0800000-100 = REF-CODE-SOCKET
R1 R435 RD11 RD21 RG1 RH116 RH216 RS7 RS9 UNK1RD11 UNK1RD21 UNK1RG1 UNK1RH116 UNK1RH216 UNK1RS7 UNK1RS9 UNK2RD11 UNK2RD21 UNK2RG1 UNK2RH116 UNK2RH216 UNK2RS7 UNK2RS9 UNK3RD11 UNK3RD21 UNK3RG1 UNK3RH116 UNK3RH216 UNK3RS7 UNK3RS9 = 0-5-SB: Tolerance: TOL; User Part Number: PNXXXXXXXXXX
R2 R3 R5-R7 R9 R10 R19 RB8 RS6 UNK1R2 UNK1R3 UNK1R5-UNK1R7 UNK1R9 UNK1R10 UNK1R19 UNK1RB8 UNK1RS6 UNK2R2 UNK2R3 UNK2R5-UNK2R7 UNK2R9 UNK2R10 UNK2R19 UNK2RB8 UNK2RS6 UNK3R2 UNK3R3 UNK3R5-UNK3R7 UNK3R9 UNK3R10 UNK3R19 UNK3RB8 UNK3RS6 = 100K-1-S4: User Part Number: PNXXXXXXXXXX; Tolerance: TOL
R18 R20 R21 RD32 RD42 RD43 RD62 RD64 RD72 RG32 RG42 RG64 RG72 UNK1R18 UNK1R20 UNK1R21 UNK1RD32 UNK1RD42 UNK1RD43 UNK1RD62 UNK1RD64 UNK1RD72 UNK1RG32 UNK1RG42 UNK1RG64 UNK1RG72 UNK2R18 UNK2R20 UNK2R21 UNK2RD32 UNK2RD42 UNK2RD43 UNK2RD62 UNK2RD64 UNK2RD72 UNK2RG32 UNK2RG42 UNK2RG64 UNK2RG72 UNK3R18 UNK3R20 UNK3R21 UNK3RD32 UNK3RD42 UNK3RD43 UNK3RD62 UNK3RD64 UNK3RD72 UNK3RG32 UNK3RG42 UNK3RG64 UNK3RG72 = 0-5-S8: User Part Number: PNXXXXXXXXXX; Tolerance: TOL
R24 UNK1R24 UNK2R24 UNK3R24 = 1M-1-S4: User Part Number: PNXXXXXXXXXX; Tolerance: TOL
R26 R45 R46 R60-R64 R66-R68 R70 R71 R263 R264 R281 R282 R342-R345 R552 R554 R563-R566 R568-R577 RB1 RH152 RH162 RH182 RH192 RH252 RH262 RH282 RH292 RH1104 RH1182 RH1192 RH1232 RH1243 RH1263 RH1273 RH1283 RH2104 RH2182 RH2192 RH2232 RH2243 RH2263 RH2273 RH2283 RL16 RL18 RL21 RL39 RL42 RL44 RRG49 RRG51-RRG59 RRG91-RRG96 RS104 RS114 RSG104 RSG105 RSG114 RSG115 UNK1R26 UNK1R45 UNK1R46 UNK1R60-UNK1R64 UNK1R66-UNK1R68 UNK1R70 UNK1R71 UNK1R263 UNK1R264 UNK1R281 UNK1R282 UNK1R342-UNK1R345 UNK1R552 UNK1R554 UNK1R563-UNK1R566 UNK1R568-UNK1R577 UNK1RH152 UNK1RH162 UNK1RH182 UNK1RH192 UNK1RH252 UNK1RH262 UNK1RH282 UNK1RH292 UNK1RH1104 UNK1RH1182 UNK1RH1192 UNK1RH1232 UNK1RH1243 UNK1RH1263 UNK1RH1273 UNK1RH1283 UNK1RH2104 UNK1RH2182 UNK1RH2192 UNK1RH2232 UNK1RH2243 UNK1RH2263 UNK1RH2273 UNK1RH2283 UNK1RL16 UNK1RL18 UNK1RL21 UNK1RL39 UNK1RL42 UNK1RL44 UNK1RRG49 UNK1RRG51-UNK1RRG59 UNK1RRG91-UNK1RRG96 UNK1RS104 UNK1RS114 UNK1RSG104 UNK1RSG105 UNK1RSG114 UNK1RSG115 UNK2R26 UNK2R45 UNK2R46 UNK2R60-UNK2R64 UNK2R66-UNK2R68 UNK2R70 UNK2R71 UNK2R263 UNK2R264 UNK2R281 UNK2R282 UNK2R342-UNK2R345 UNK2R552 UNK2R554 UNK2R563-UNK2R566 UNK2R568-UNK2R577 UNK2RH152 UNK2RH162 UNK2RH182 UNK2RH192 UNK2RH252 UNK2RH262 UNK2RH282 UNK2RH292 UNK2RH1104 UNK2RH1182 UNK2RH1192 UNK2RH1232 UNK2RH1243 UNK2RH1263 UNK2RH1273 UNK2RH1283 UNK2RH2104 UNK2RH2182 UNK2RH2192 UNK2RH2232 UNK2RH2243 UNK2RH2263 UNK2RH2273 UNK2RH2283 UNK2RL16 UNK2RL18 UNK2RL21 UNK2RL39 UNK2RL42 UNK2RL44 UNK2RRG49 UNK2RRG51-UNK2RRG59 UNK2RRG91-UNK2RRG96 UNK2RS104 UNK2RS114 UNK2RSG104 UNK2RSG105 UNK2RSG114 UNK2RSG115 UNK3R26 UNK3R45 UNK3R46 UNK3R60-UNK3R64 UNK3R66-UNK3R68 UNK3R70 UNK3R71 UNK3R263 UNK3R264 UNK3R281 UNK3R282 UNK3R342-UNK3R345 UNK3R552 UNK3R554 UNK3R563-UNK3R566 UNK3R568-UNK3R577 UNK3RH152 UNK3RH162 UNK3RH182 UNK3RH192 UNK3RH252 UNK3RH262 UNK3RH282 UNK3RH292 UNK3RH1104 UNK3RH1182 UNK3RH1192 UNK3RH1232 UNK3RH1243 UNK3RH1263 UNK3RH1273 UNK3RH1283 UNK3RH2104 UNK3RH2182 UNK3RH2192 UNK3RH2232 UNK3RH2243 UNK3RH2263 UNK3RH2273 UNK3RH2283 UNK3RL16 UNK3RL18 UNK3RL21 UNK3RL39 UNK3RL42 UNK3RL44 UNK3RRG49 UNK3RRG51-UNK3RRG59 UNK3RRG91-UNK3RRG96 UNK3RS104 UNK3RS114 UNK3RSG104 UNK3RSG105 UNK3RSG114 UNK3RSG115 = 10K-1-S4: User Part Number: PNXXXXXXXXXX; Tolerance: TOL